# Altium PCB Project_2_Master_PCB.PcbDoc
Units mil, origin at the board's own origin, x right, y up, seen from the top; angles counter-clockwise.
Board outline 2875 x 2835 mil, 2 copper layers (Top Layer, Bottom Layer); 32 components, 95 nets, 142 pads, 15 vias.
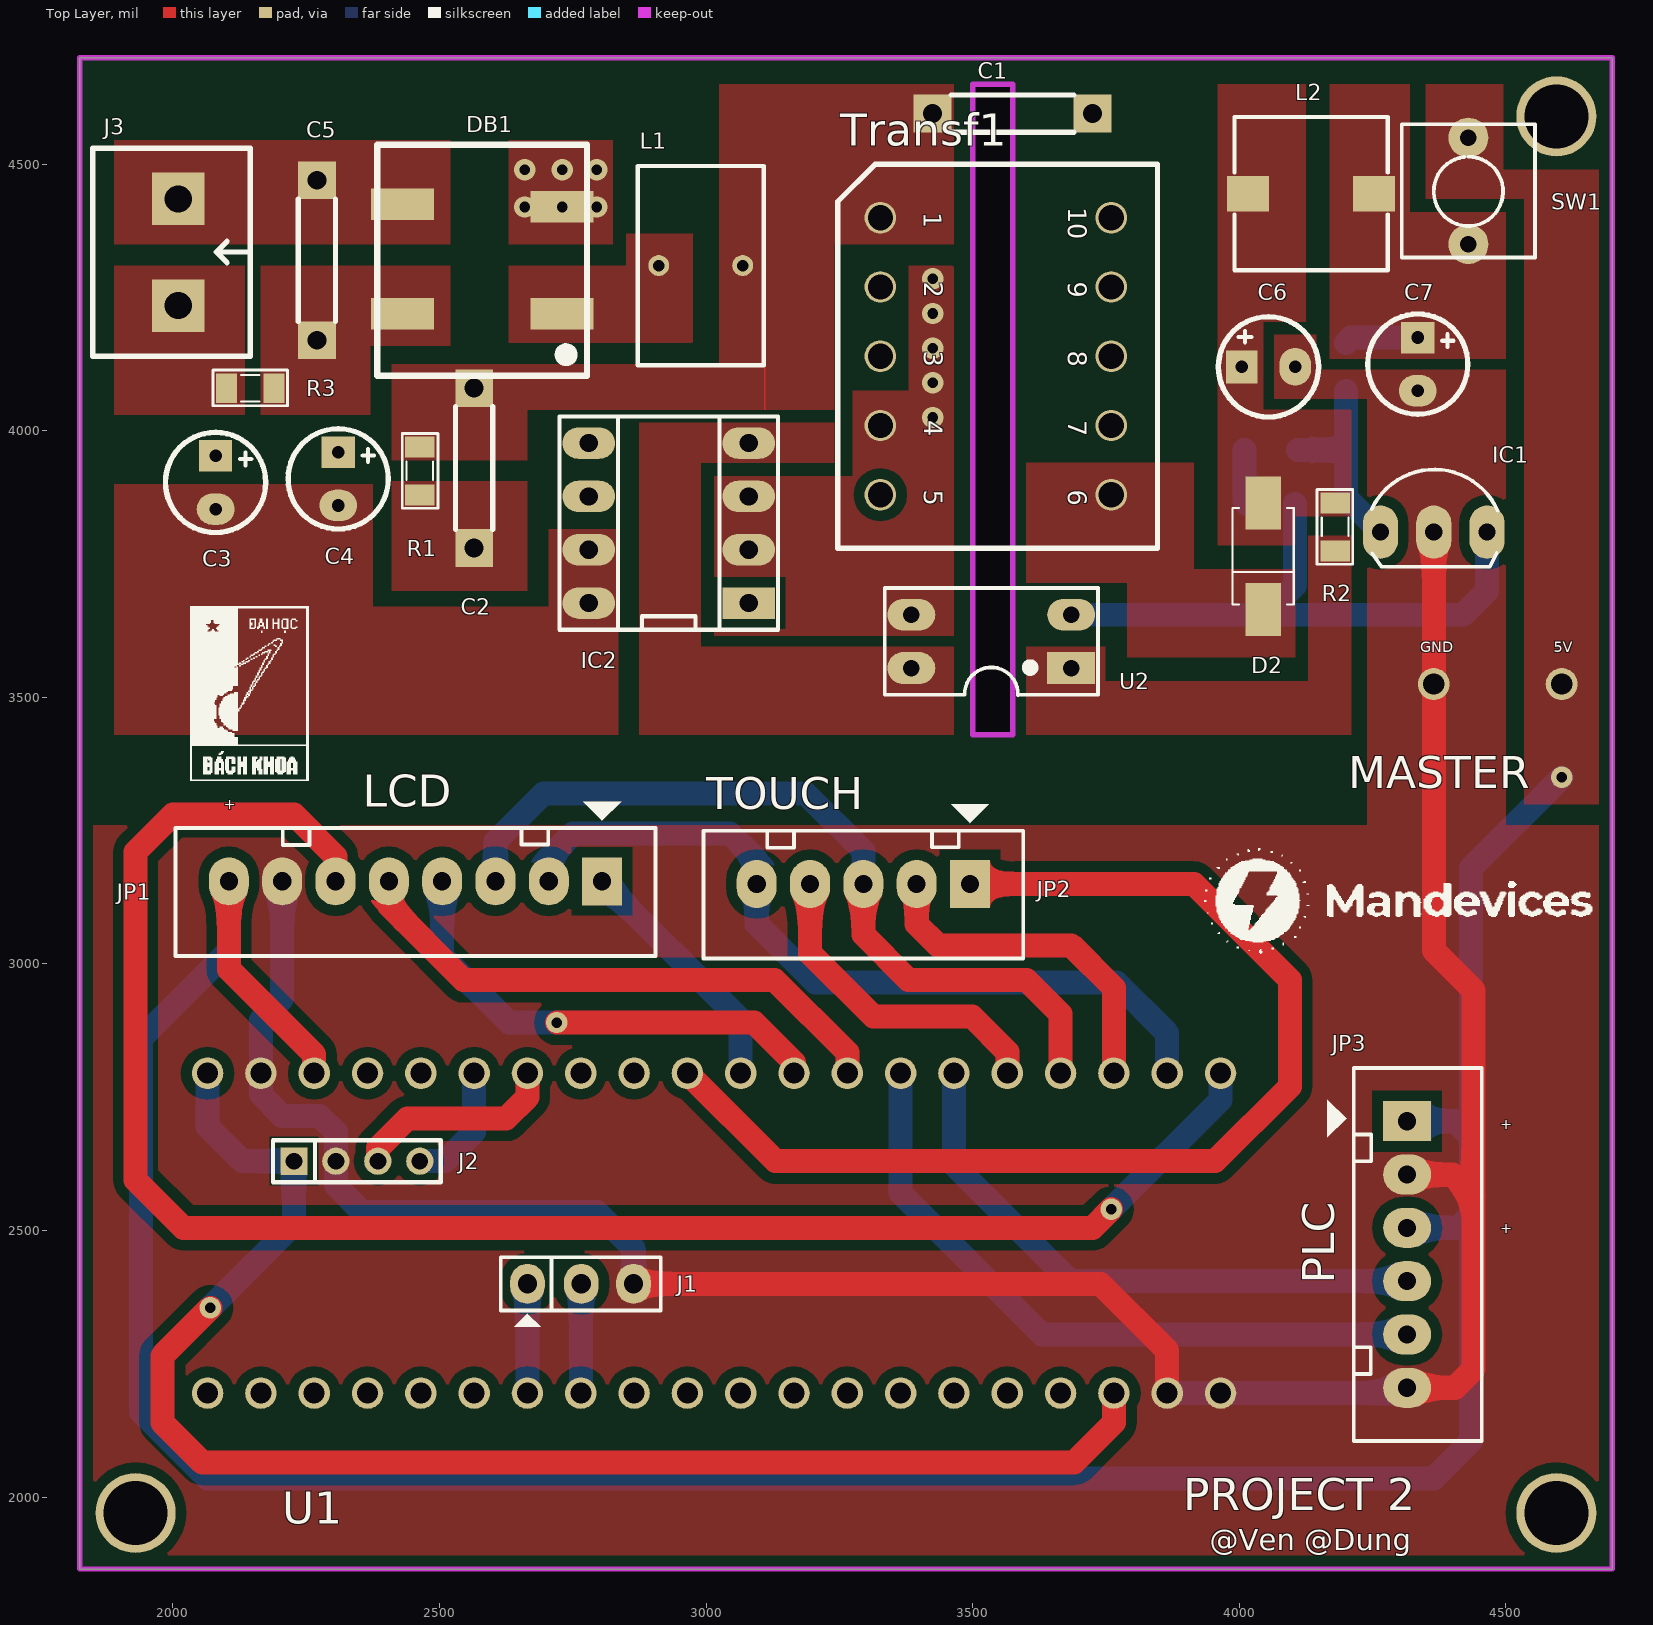
[diagram p0: Top Layer view]
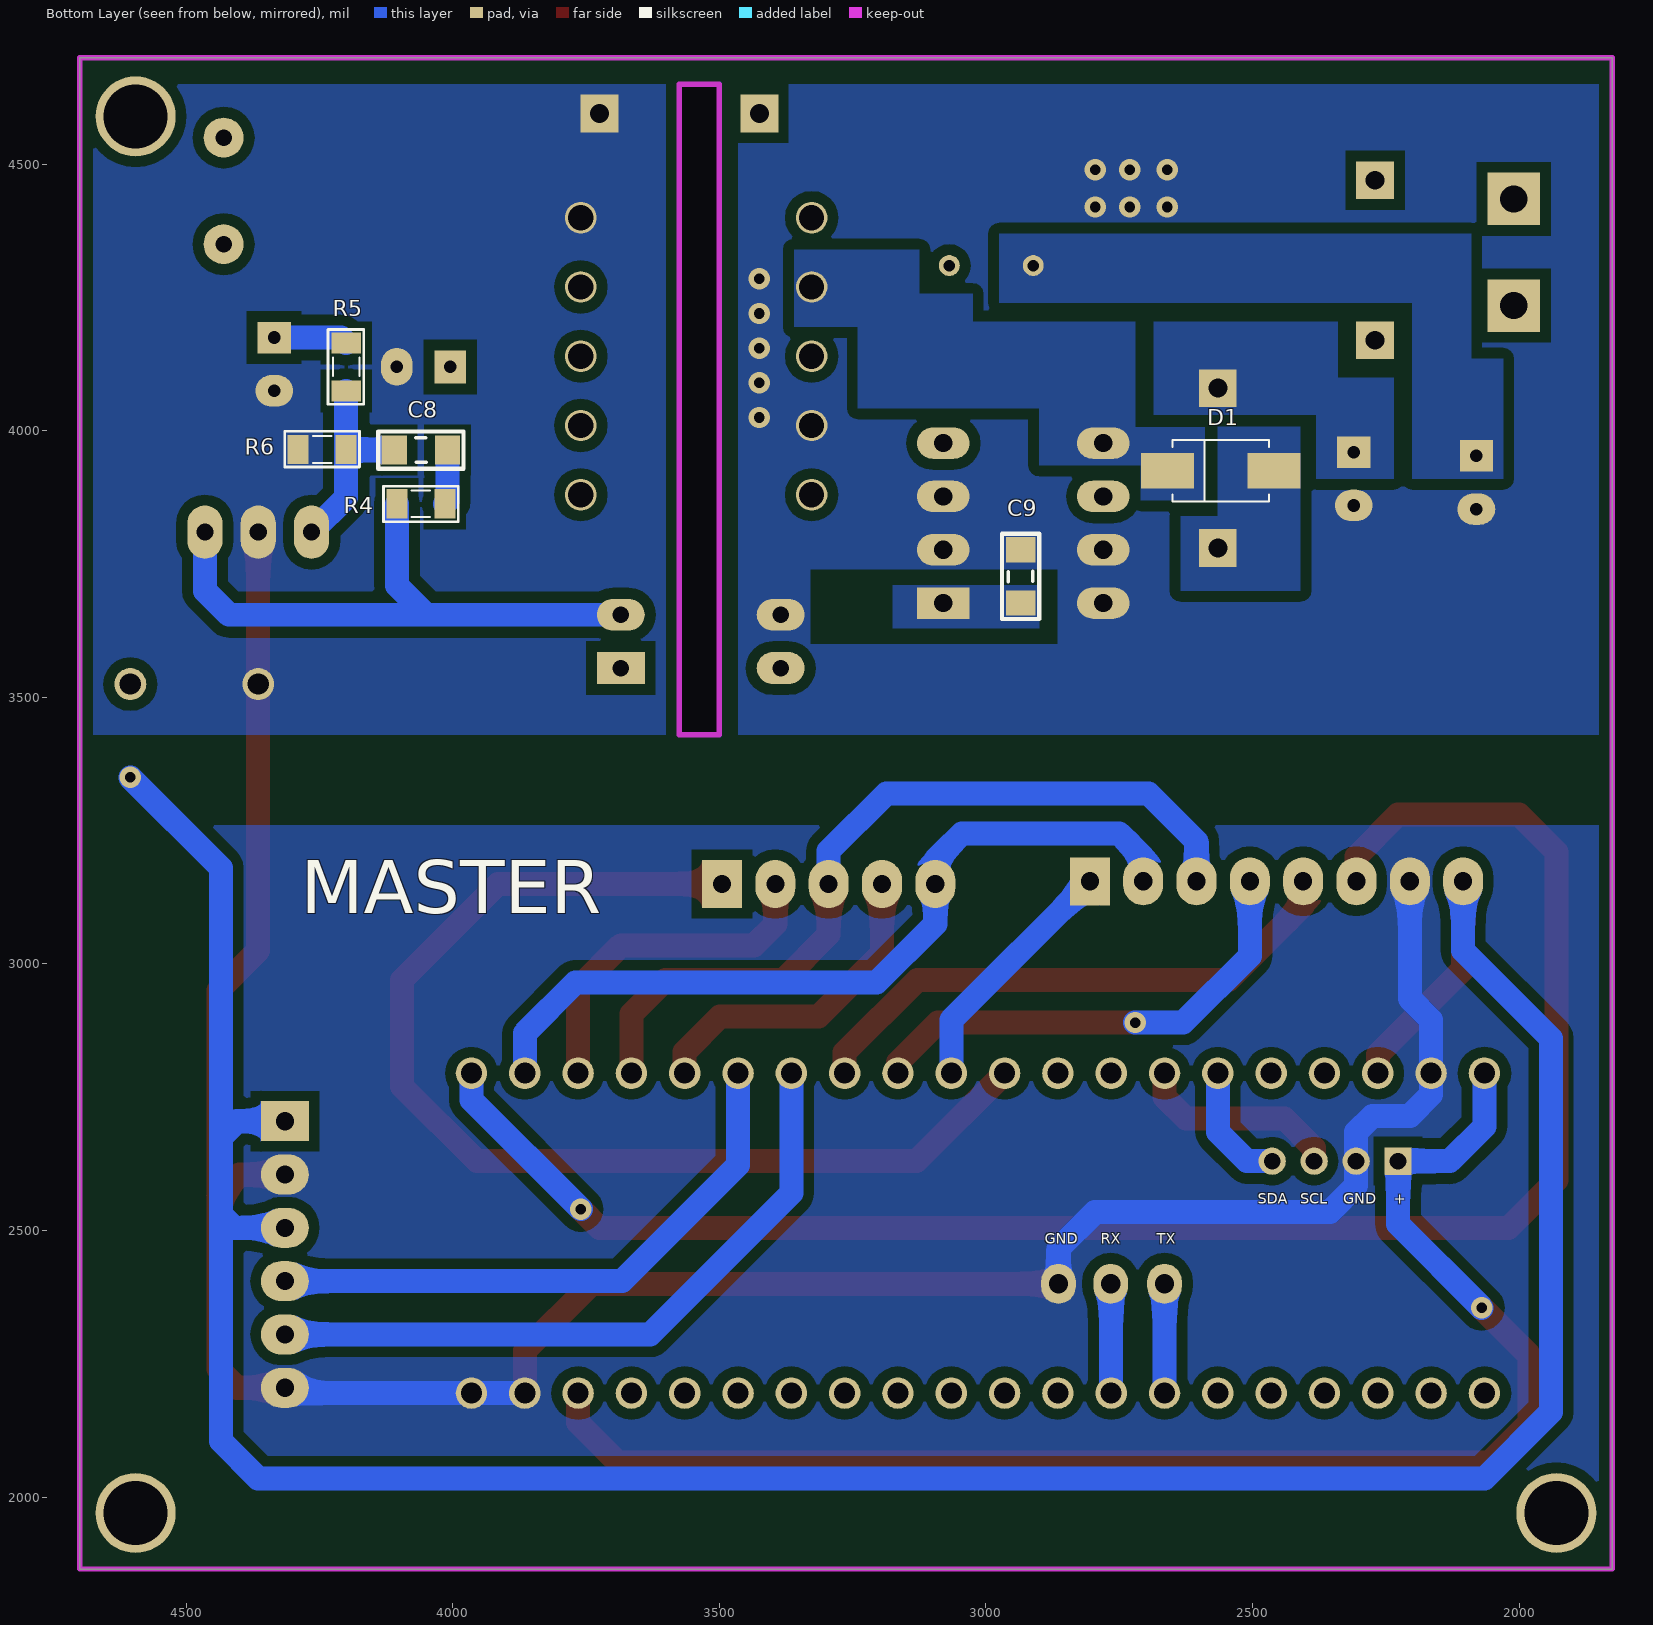
[diagram p1: Bottom Layer view, seen from below]
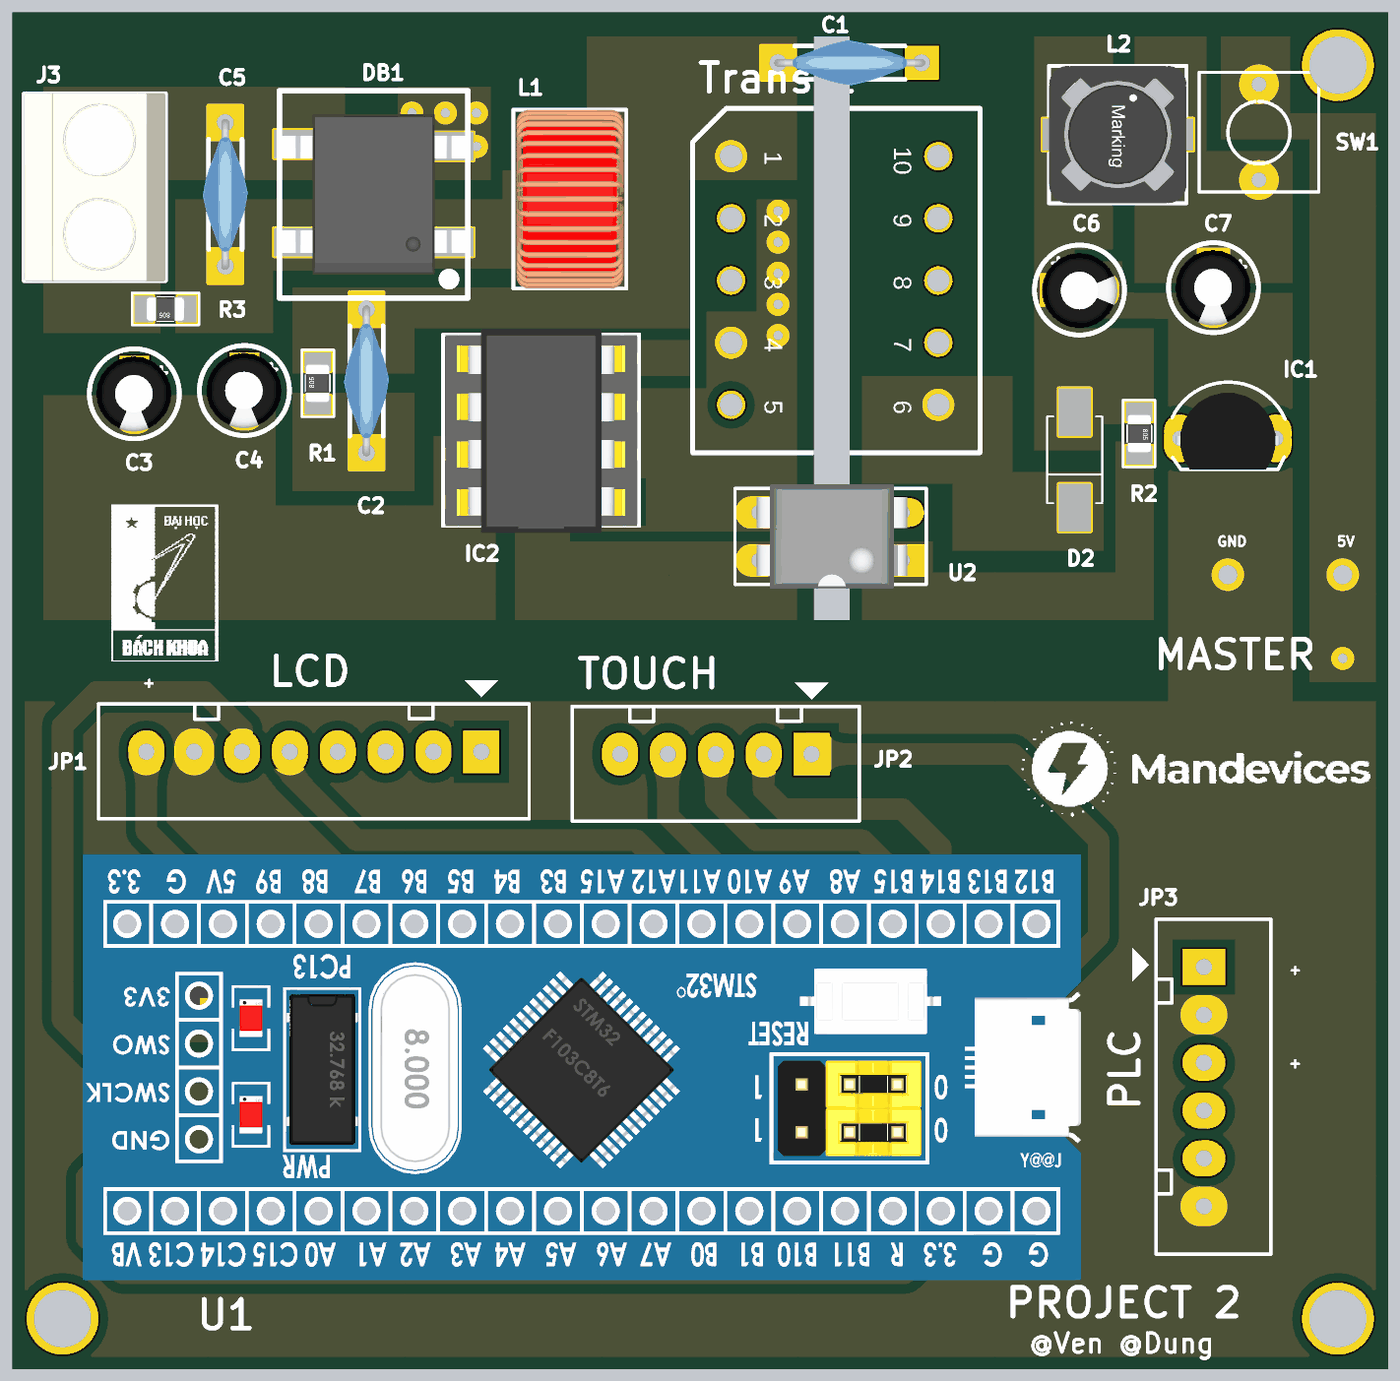
[diagram p2: 3D render of the assembled board from above, using the file's embedded part models]
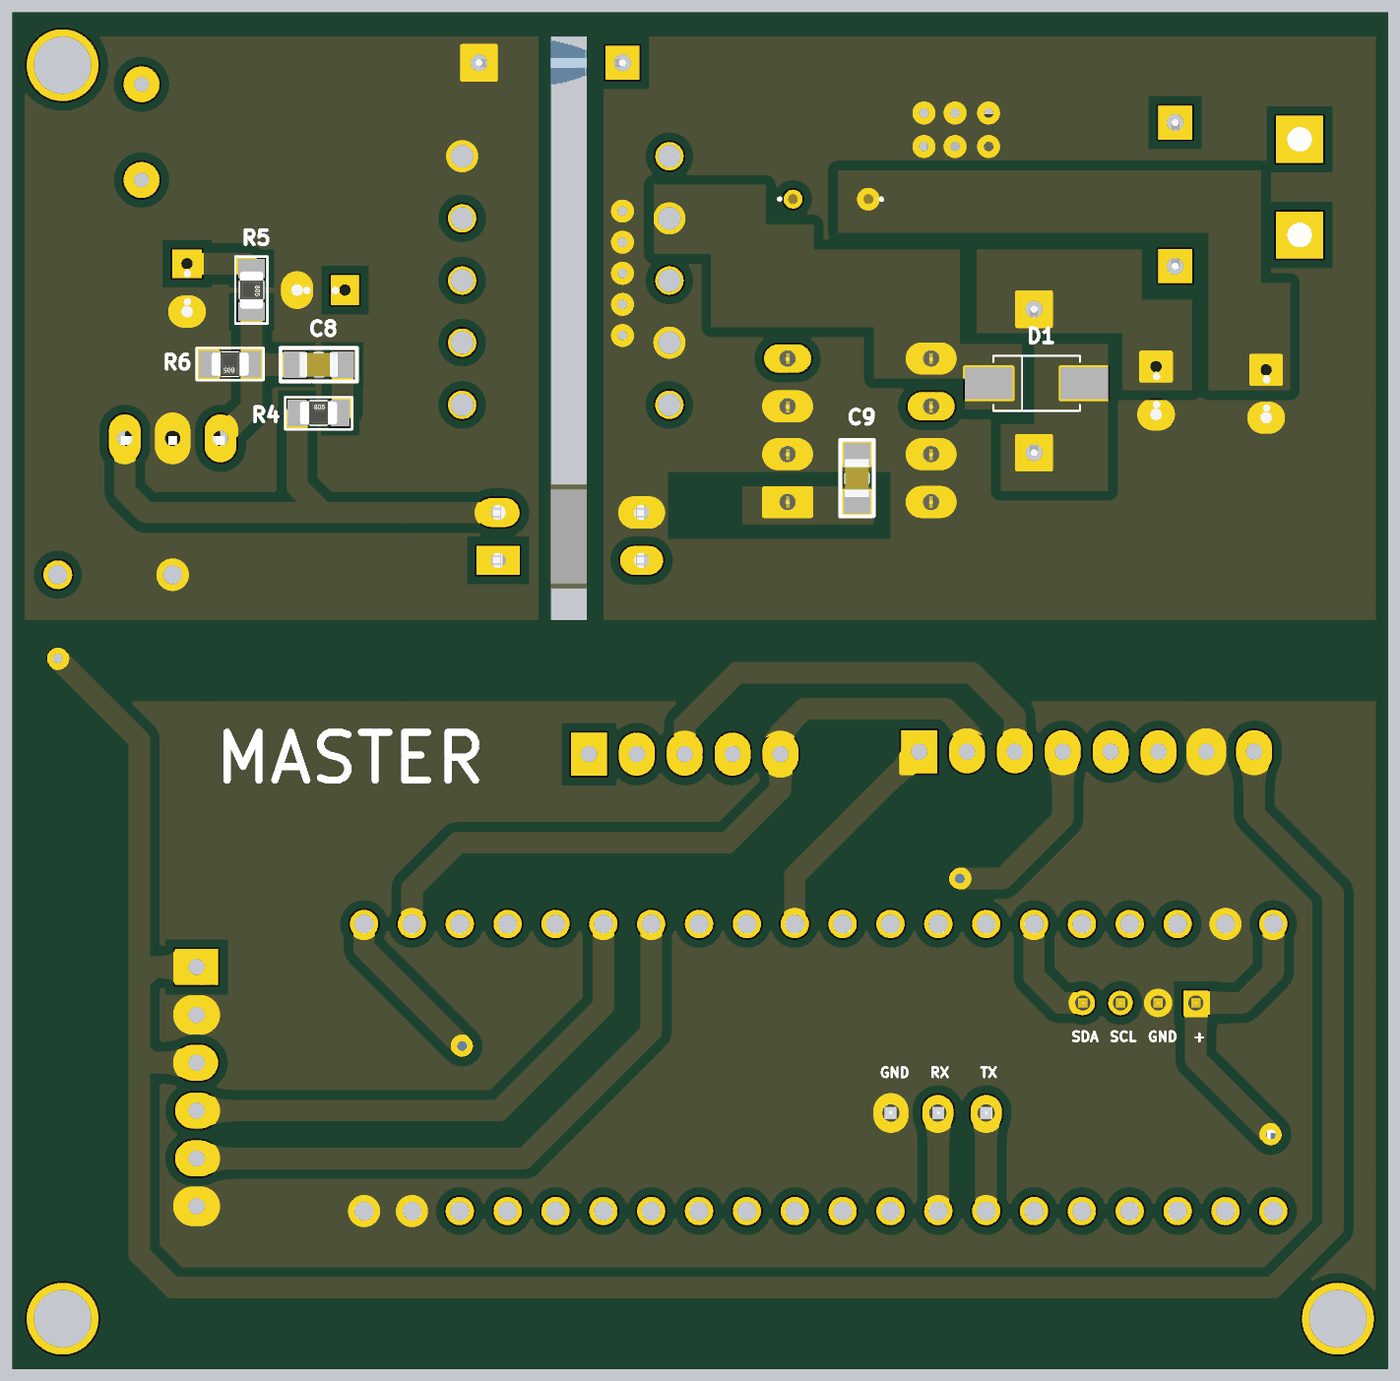
[diagram p3: 3D render of the assembled board from below, using the file's embedded part models]

## Layer stack, top to bottom
Top Solder: solder mask 0.4, Solder Resist, Dk 3.5
Top Layer: signal copper 1.4
Dielectric 1: dielectric 12.6, FR-4, Dk 4.8
Bottom Layer: signal copper 1.4
Bottom Solder: solder mask 0.4, Solder Resist, Dk 3.5

## Board outline
1825,1865 4700,1865 4700,4700 1825,4700
cut-out: 3500,3430 3575,3430 3575,4650 3500,4650

## Design rules (kind name [scope] priority, off if disabled: settings)
Clearance [All] p1: gap=20 ignorepadtopadclearanceinfootprint=TRUE except(0: Arc-Text Arc-Hole Track-Text Track-Hole SMDPad-Text SMDPad-Hole THPad-Text THPad-Hole Via-Text Via-Hole Fill-Text Fill-Hole Poly-Text Poly-Hole Region-Text Region-Hole Text-Text Text-Hole; 10: Arc-Arc Arc-Track Arc-SMDPad Arc-THPad Arc-Via Track-Track Track-SMDPad Track-THPad Track-Via SMDPad-SMDPad SMDPad-THPad SMDPad-Via THPad-THPad THPad-Via Via-Via)
PolygonConnect [All] p1: connectstyle=Direct reliefconductorwidth=10 reliefentries=4 polygonreliefangle="90 Angle" airgapwidth=10
RoutingVias [All] p1: holewidth=20 width=40 viastyle="Through Hole" minholewidth=15 minwidth=35 maxholewidth=25 maxwidth=45
SolderMaskExpansion [All] p1: expansion=4
Width [All] p1: maxlimit=45 minlimit=15 preferedwidth=25
30 further rules are at their usual default settings.

## Classes and differential pairs
component class 7: DB3 DB4 Q2 Q3
component class 4: JP3
component class 3: JP1 JP2
component class 2: C1 C2 C5 C6 C7 C8 C9 D1 D2 DB1 IC1 IC2 J3 L1 L2 R1 R2 R3 R4 R5 R6 SW1 Transf1 U2
component class 1: J1 J2 U1

## Components (designator, comment, footprint, x,y, rotation, side; value= is the part's Value field where it differs from the comment)
C1 "1nF/400v" 103/2KV 3725,4595 r180 top
C2 "1nF/400V" 103/2KV 2565,4080 r270 top
C3 "10uF/400V" C3MM 2080,3903.15 r270 top
C4 "10uF/400V" C3MM 2310,3910 r270 top
C5 "20D471K" 103/2KV 2270,4470 r270 top
C6 "470uF/16V" C3MM 4055,4120 r0 top
C7 "100uF/16V" C3MM 4335,4125 r270 top
C8 "100nF" CAP_0805 4060,3965 r180 bottom value=33p
C9 "100nF" CAP_0805 2934,3726.99 r270 bottom value=33p
D1 "SS14" SMAJ 2559.8,3925 r180 bottom value=1N5007
D2 "SS14" SMAJ 4045,3765 r90 top value=1N5007
DB1 "Diode Bridge" DB207S 2580,4320 r270 top
IC1 "TL431" qto-92 4365,3810 r0 top
IC2 "TNY264" DIP8 2930,3825 r180 top
J1 "JP3" JP3 2765,2400 r0 top value=J3
J2 "JP4" J4-D1T 2345,2630 r0 top
J3 "AC-IN" KF2-5.08 2010,4335 r270 top
JP1 "Con8" CON8 2805,3155 r180 top value="Connector 8"
JP2 "Con5" CON5 3495,3150 r180 top value="Connector 5"
JP3 "Con6" CON6 4315,2705 r270 top value="Connector 6"
L1 "100uF" L-DIP-M-9.5x6 2990,4310 r0 top value="150 mH"
L2 "2.2uF" L-SMD-M-7.3x4.5 4135,4445 r90 top value="150 mH"
R1 "100k" RES-SMD-0805 2463.11,3925 r90 top
R2 "200R" RES-SMD-0805 4180,3820 r270 top
R3 "10R" RES-SMD-0805 2145,4080 r180 top
R4 "3.3k" RES-SMD-0805 4060,3863.15 r180 bottom
R5 "10k" RES-SMD-0805 4200,4120 r270 bottom
R6 "10k" RES-SMD-0805 4245,3965 r0 bottom
SW1 "SW" SW2 4430,4350 r90 top value="SW chip 2 pin"
Transf1 "Transformer EE16" "Transformer SW" 3326.93,4399.76 r270 top
U1 "STM32 Bluepill" Blue_Pill_Board 1985,2950 r270 top
U2 "PC817" DIP4/W0.3 3685,3555 r90 top

## Footprints (in the part's own frame and the unit in brackets; to place one, negate y for a bottom-side part, rotate by r counter-clockwise, add the part's x,y. Pads: shape width x height; smd on the part's side, far side on the other; paste and mask are expansions set on the pad)
103/2KV [mm]
  rect 1.8x1.8 hole 0.9: 1(0,0) 2(7.62,0)
  silkscreen extent 0.89,-0.89 6.73,0.89, body extent -0.19,-1.2 7.81,1.19, height 9.03
Blue_Pill_Board [mm]
  round 1.5 hole 1: 1(3.937,50.292) 2(3.937,47.752) 3(3.937,45.212) 4(3.937,42.672) 5(3.937,40.132) 6(3.937,37.592) 7(3.937,35.052) 8(3.937,32.512) 9(3.937,29.972) 10(3.937,27.432) 11(3.937,24.892) 12(3.937,22.352) 13(3.937,19.812) 14(3.937,17.272) 15(3.937,14.732) 16(3.937,12.192) 17(3.937,9.652) 18(3.937,7.112) 19(3.937,4.572) 20(3.937,2.032) 21(19.177,50.292) 22(19.177,47.752) 23(19.177,45.212) 24(19.177,42.672) 25(19.177,40.132) 26(19.177,37.592) 27(19.177,35.052) 28(19.177,32.512) 29(19.177,29.972) 30(19.177,27.432) 31(19.177,24.892) 32(19.177,22.352) 33(19.177,19.812) 34(19.177,17.272) 35(19.177,14.732) 36(19.177,12.192) 37(19.177,9.652) 38(19.177,7.112) 39(19.177,4.572) 40(19.177,2.032)
  body extent 0.25,-0.34 22.85,52.66, height 33
C3MM [mm]
  rect 1.5x1.58 hole 0.6: 1(-1.27,0)
  oval 1.5x1.8 hole 0.6: 2(1.27,0)
  silkscreen extent -2.39,-2.39 2.39,2.39, body extent -2,-2.03 1.99,1.97, height 7.01
CAP_0805 [mm]
  rect 1.2x1.4 smd: 1(-1.27,-0.025) 2(1.27,-0.025)
  silkscreen extent -2.03,-0.91 2.03,0.86, body extent -1.01,-0.66 1.01,0.61, height 0.61
CON5 [mil] "CON5"
  rect 75x90 hole 34: 1(0,0)
  oval 75x90 hole 34: 2(100,0) 3(200,0) 4(300,0) 5(400,0)
  silkscreen extent -100,-150 500,140
CON6 [mil] "CON6"
  rect 75x90 hole 34: 1(0,0)
  oval 75x90 hole 34: 2(100,0) 3(200,0) 4(300,0) 5(400,0) 6(500,0)
  silkscreen extent -100,-150 600,140
CON8 [mil] "CON8"
  rect 75x90 hole 34: 1(0,0)
  oval 75x90 hole 34: 2(100,0) 3(200,0) 4(300,0) 5(400,0) 6(500,0) 7(600,0) 8(700,0)
  silkscreen extent -100,-150 800,140
DB207S [mm] "Diode Bridge 2A 1000V"
  rect 1.5x3 smd: 1(2.54,3.81) 2(2.54,-3.785) 3(-2.667,-3.785) 4(-2.54,3.81)
  silkscreen extent -5.5,-5 5.5,5, body extent -4.25,-5 4.25,5, height 2.93
DIP4/W0.3 [mil] "4 PIN, W 300mil, Pin to pin 100mil"
  rect 60x90 hole 31: 1(0,0)
  oval 60x90 hole 31: 2(100,0) 3(100,300) 4(0,300)
  silkscreen extent -50,-50 150,350, body extent -59,-10 159,305, height 170
DIP8 [mm]
  rect 2.5x1.5 hole 0.864: 1(-3.81,3.759)
  oval 2.5x1.5 hole 0.864: 2(-3.81,1.219) 3(-3.81,-1.321) 4(-3.81,-3.861) 5(3.81,-3.861) 6(3.81,-1.321) 7(3.81,1.219) 8(3.81,3.759)
  silkscreen extent -5.21,-5.13 5.21,5.03, body extent -5.08,-5.4 5.08,5.4, height 8.1
J4-D1T [mm] "4 pins, 1 row, straight, gold plating"
  rect 1.3x1.3 hole 0.8: 1(-3,0)
  round 1.3 hole 0.8: 2(-1,0) 3(1,0) 4(3,0)
  silkscreen extent -4,-1 4,1, body extent -4,-1 4,1, height 6.01
JP3 [mil] "Jumper 3"
  oval 65x75 hole 36: 1(-100,0) 2(1,0) 3(99,0)
  silkscreen extent -150,-81 150,50, body extent -150,-60 150,55, height 355
KF2-5.08 [mm]
  rect 2.5x2.5 hole 1.3: 1(-2.54,0) 2(2.54,0)
  silkscreen extent -4.95,-4.08 4.95,3.43, body extent -5,-4.07 5,3.43, height 10
L-DIP-M-9.5x6 [mm] "Body 9.5x6mm, 2 leads"
  round 1 hole 0.55: 1(-2,0) 2(2,0)
  silkscreen extent -3,-4.75 3,4.75, body extent -2.85,-4.75 2.85,4.75, height 9.75
L-SMD-M-7.3x4.5 [mm] "WE-PDA SMD Shielded Power Inductor, 7345"
  rect 1.7x2 smd: 1(0,3) 2(0,-3)
  silkscreen extent -3.65,-3.65 3.65,3.65, body extent -3.65,-3.65 3.65,3.65, height 4.05
qto-92 [mil] "TO-92"
  oval 66x100 hole 32: 1(-100,0) 2(0,0) 3(100,0)
  silkscreen extent -117,-65 120,118, body extent -109,-66 109,95, height 245
RES-SMD-0805 [mil]
  rect 39.37x55 smd: 1(-45,0) 2(45,0)
  silkscreen extent -70,-34 70,33, body extent -39,-25 39,25, height 31
SMAJ [mm] "SMAJ5.0A/CA,SMAJ24CA..."
  rect 2.52x1.7 smd: 1(-2.535,0) 2(2.535,0)
  silkscreen extent -2.3,-1.46 2.3,1.46, body extent -2.54,-1.46 2.54,1.46, height 2.62
SW2 [mil] "SW button 2pin, 250x 250 mil"
  round 75 hole 31: 1(0,0) 2(200,0)
  silkscreen extent -25,-125 225,125
"Transformer SW" [mm] "Transformer; 4 Leads"
  round 1.5 hole 1.2: 1(0,0) 2(3.3,0) 3(6.6,0) 4(9.9,0) 5(13.2,0) 6(13.2,11) 7(9.9,11) 8(6.6,11) 9(3.3,11) 10(0,11)
  silkscreen extent -2.54,-2.03 15.75,13.21

## Part data
C1 C2: library part Cap2KV, "CAP CERAMIC", LatestRevisionDate=17-Jul-2002, LatestRevisionNote="Re-released for DXP Platform.", PackageReference=RAD-0.3, Published=8-Jun-2000, Publisher="Altium Limited"
C3 C4 C6 C7: library part "Cap Pol", "Polarized Capacitor (Axial)", LatestRevisionDate=17-Jul-2002, LatestRevisionNote="Re-released for DXP Platform.", PackageReference=POLAR0.8, Published=8-Jun-2000, Publisher="Altium Limited"
C5: library part Cap2KV, "Varistor", LatestRevisionDate=17-Jul-2002, LatestRevisionNote="Re-released for DXP Platform.", PackageReference=RAD-0.3, Published=8-Jun-2000, Publisher="Altium Limited"
C8 C9: library part CapSMD, "Capacitor", LatestRevisionDate=17-Jul-2002, LatestRevisionNote="Re-released for DXP Platform.", PackageReference=RAD-0.3, Published=8-Jun-2000, Publisher="Altium Limited"
D1 D2: library part "Diode SMD", "Diode Schottky / 1N5819", Code - JEDEC=DO-214-AB, Published=8-Jun-2000, Publisher="Altium Limited", Revision="July-2002: Re-released for DXP Platform."
DB1: library part "Diode Bridge Flate"
IC1: "Programmable Shunt Regulator"
IC2: "Enhanced, Energy Efficient, Low Power Off-line Switcher"
J1: "UART2"
J2: library part JP4x1-2.0, "I2C", Manufacturer="Würth Elektronik eiSos GmbH", partNo=62000411821, ComponentLink1 Description=Manufacturer, ComponentLink1URL=http://www.we-online.com, ComponentLink2 Description=Datasheet, ComponentLink2URL=http://katalog.we-online.de/em/datasheet/6200xx11821.pdf, Created by="Karrer Zheng", Created Date="2 April 2013", NoPins=04
J3: library part KF2, Manufacturer="Würth Elektronik eiSos GmbH", partNo=691103110002, ComponentLink1 Description=Manufacturer, ComponentLink1URL=http://www.we-online.com, ComponentLink2 Description=Datasheet, ComponentLink2URL=http://katalog.we-online.de/em/datasheet/6911031100xx.pdf, Created by="Karrer Zheng", Created Date="29 October 2013", NoPins=2
JP1: "DISPLAY"
JP2: "TOUCH"
JP3: "PLC module"
L1 L2: library part L-DIP-1, "Inductor"
R1 R2 R3 R4 R5 R6: library part "Resistor - SMD", "Resistor", Manufacturer="Generic Components", Class=Passive, Published=08/06/2000, Publisher="Altium Hobart Technology Centre"
SW1: library part SW2, "Switch button 2 pin"
Transf1: library part "Tranformer EE16"
U1: "STM32 Bluepill Kit"
U2: "Single Opto"

## Free pads (board coordinates)
  round 150 hole 120: 5(4595,4590) 6(4595,1970) 7(1930,1970)
  round 60 hole 40: 8(4365,3525) 9(4605,3525)

## Via types
v1: diameter 40, hole 20, Top Layer to Bottom Layer, 15 vias

## Nets (pads, with @x,y where several pads share a name; then routed paths per layer and width w, separated by ;. In a path a pad name is that pad's centre, name@x,y a point inside that pad or via, vN(x,y) a via of type N, cw(c..) or ccw(c..) an arc to the next point about the centre after c; other vN are vias at no path point)
3.3V: J2.1 U1.20 U1.23 | length 2783.2
  Top Layer w45: v1(2070,2355) 1980,2265 1980,2140 2055,2065 3690,2065 3765,2140 U1.23
  Bottom Layer w45: U1.20 2065,2695 2130,2630 J2.1 2226.89,2511.89 v1(2070,2355)
5V: JP1.8 JP3.1 JP3.3 pad.9 SW1.2 U1.18 | length 5643.6
  Top Layer w45: JP1.8 2105,2990 2265,2830 U1.18
  Bottom Layer w45: JP1.8 2105,3025 1940,2860 1940,2160 2065,2035 4365,2035 4435,2105 4435,2530 ; JP3.3 4410,2505 4435,2530 ; JP3.1 4405,2705 4435,2675 ; v1(4605,3350) 4435,3180 4435,2675 ; 4435,2530 4435,2675
AC1: 
AC2: 
CS: JP1.6 U1.1 | length 3319.9
  Top Layer w45: JP1.6 2305,3201.89 2226.89,3280 2000,3280 1930,3210 1930,2595 2020,2505 3725,2505 v1(3760,2540)
  Bottom Layer w45: v1(3760,2540) 3965,2745 U1.1
DC: JP1.4 U1.9 | length 902.8
  Top Layer w45: v1(2720,2890) 3090,2890 3165,2815 U1.9
  Bottom Layer w45: JP1.4 2505,3015 2630,2890 v1(2720,2890)
GND: C1.1 C6.2 C7.2 IC1.2 J1.3 J2.2 JP1.7 JP3.2 JP3.6 pad.8 R6.2 Transf1.10 U1.19 U1.21 U1.22 | length 4828.9
  Top Layer w45: J1.3 3740,2400 3865,2275 U1.22 ; JP3.6 4405,2205 4440,2240 4440,2565 ; JP3.2 4400,2605 4440,2565 ; IC1.2 4365,3025 4440,2950 4440,2565
  Bottom Layer w45: JP1.7 2205,2935 2165,2895 U1.19 2165,2755 2205,2715 2275,2715 2305.63,2684.37 J2.2 2305.63,2584.37 2355,2535 2795,2535 2864,2466 J1.3 ; U1.22 U1.21 4305,2195 JP3.6
GND1: 
GND2: 
GND_IN: C3.2 C4.2 C9.1 DB1.4 IC2.2 IC2.3 IC2.7 IC2.8 Transf1.4 U2.3
  other v1: 3425,4025 3425,4090 3425,4155 3425,4220 3425,4285 2660,4420 2730,4420 2795,4420 2660,4490 2730,4490 2795,4490
I1_IN: 
I1_OUT: 
I2_IN: 
I2_OUT: 
LED: JP1.1 U1.10 | length 467.7
  Bottom Layer w45: JP1.1 3065,2895 U1.10
MOSI: JP1.3 JP2.3 U1.4 | length 1546.8
  Top Layer w45: JP2.3 3295,3055 3380,2970 3601.33,2970 3665,2906.33 U1.4
  Bottom Layer w45: JP1.3 2605,3230 2695,3320 3186.72,3320 3295,3211.72 JP2.3
NetC1_2: C1.2 C2.1 C4.1 L1.2 R1.2 Transf1.1
NetC2_2: C2.2 D1.2 R1.1
NetC3_1: C3.1 DB1.1 L1.1
NetC5_1: C5.1 DB1.3 J3.1
NetC5_2: C5.2 DB1.2 R3.1
NetC6_1: C6.1 D2.2 L2.1 R2.1
NetC7_1: C7.1 L2.2 R5.1 SW1.1 | length 139.1
  Bottom Layer w45: R5.1 4210,4175 C7.1
NetC8_1: C8.1 IC1.1 R5.2 R6.1 | length 382.3
  Bottom Layer w45: C8.1 4199,3964 R6.1 ; R5.2 4200,3875 IC1.1
NetC8_2: C8.2 R4.2 | length 102.9
  Bottom Layer w45: C8.2 4010,3868.15 R4.2
NetC9_2: C9.2 IC2.1
NetC13_2: 
NetC17_2: 
NetC18_2: 
NetC19_1: 
NetC22_1: 
NetC23_1: 
NetC24_1: 
NetC24_2: 
NetC25_2: 
NetC27_1: 
NetC28_2: 
NetC30_2: 
NetC31_1: 
NetD1_1: D1.1 IC2.5 Transf1.2
NetD2_1: D2.1 Transf1.6
NetD3_1: 
NetD4_1: 
NetD5_1: 
NetD5_2: 
NetD6_1: 
NetD7_1: 
NetD7_2: 
NetD8_1: 
NetD9_1: 
NetD9_2: 
NetD10_1: 
NetD10_2: 
NetDB3_2: 
NetDB4_2: 
NetIC1_3: IC1.3 R4.1 U2.2 | length 1139.6
  Bottom Layer w45: U2.2 4050,3655 ; R4.1 4105,3710 4050,3655 ; IC1.3 4465,3700 4420,3655 4050,3655
NetIC2_4: IC2.4 U2.4
NetIC3_1: 
NetIC3_13: 
NetIC3_14: 
NetIC3_15: 
NetIC3_16: 
NetIC3_19: 
NetIC3_20: 
NetIC4_3: 
NetIC5_4: 
NetJ3_2: J3.2 R3.2
NetJ4_1: 
NetJP3_4: JP3.4 U1.6 | length 1112.5
  Bottom Layer w45: U1.6 3465,2622.62 3682.62,2405 JP3.4
NetJP3_5: JP3.5 U1.7 | length 1284.8
  Bottom Layer w45: U1.7 3365,2570 3630,2305 JP3.5
NetLED1_1: 
NetLED2_1: 
NetQ1_1: 
NetQ4_1: 
NetR2_2: R2.2 U2.1
NetR11_2: 
NetR18_1: 
NetR23_1: 
OSC1: 
OSC2: 
RS: JP1.5 U1.8 | length 1058.1
  Top Layer w45: JP1.5 2405,3110 2545,2970 3128.7,2970 3265,2833.7 U1.8
RST: 
RX2: J1.2 U1.33 | length 205.4
  Bottom Layer w45: U1.33 2765,2399 J1.2
SCK: JP1.2 JP2.5 U1.2 | length 1524.3
  Bottom Layer w45: JP1.2 2705,3200 2750,3245 3045,3245 3095,3195 JP2.5 3095,3075 3205,2965 3770,2965 3865,2870 U1.2
SCL: J2.3 U1.14 | length 389.6
  Top Layer w45: J2.3 2384.37,2654.37 2440,2710 2625,2710 2665,2750 U1.14
SDA: J2.4 U1.15 | length 234.7
  Bottom Layer w45: J2.4 2510,2630 2565,2685 U1.15
STM8_RX: 
STM8_SCL: 
STM8_SDA: 
STM8_SWIM: 
STM8_TX: 
T_CS: JP2.4 U1.5 | length 616.6
  Top Layer w45: JP2.4 3195,3020 3313.91,2901.09 3498.91,2901.09 3565,2835 U1.5
T_DO: JP2.2 U1.3 | length 654.7
  Top Layer w45: JP2.2 3395,3075 3435,3035 3685,3035 3765,2955 U1.3
T_IQR: JP2.1 U1.11 | length 2130.9
  Top Layer w45: U1.11 3130,2630 3955,2630 4095,2770 4095,2970 3915,3150 JP2.1
TX2: J1.1 U1.34 | length 205
  Bottom Layer w45: U1.34 J1.1
pads on no net: IC2.6 Transf1.3 Transf1.5 Transf1.7 Transf1.8 Transf1.9 U1.12 U1.13 U1.16 U1.17 U1.24 U1.25 U1.26 U1.27 U1.28 U1.29 U1.30 U1.31 U1.32 U1.35 U1.36 U1.37 U1.38 U1.39 U1.40

## Polygon pours and split planes (outlines as drawn)
GND on Top Layer "GND_L01_P064" (solid, remove dead copper, pour order 64): 1825,3260 4700,3260 4700,1865 1825,1865
GND_IN on Top Layer "GND_IN_L01_P074" (solid, remove dead copper, pour order 74): 3465,3610 3015,3610 3015,3915 3275,3915 3275,4015 3275,4075 3379.99,4075 3379.99,4309.99 3465,4310
NetD2_1 on Top Layer "NETD2_1_L01_P072" (solid, remove dead copper, pour order 72): 3915,3940 3600.91,3940 3600,3939.09 3600,3715 3915,3715
NetR2_2 on Top Layer "NETR2_2_L01_P070" (solid, remove dead copper, pour order 70): 3600.49,3530 3600.49,3595 3750,3595 3748.91,3593.91 3748.91,3515 3601.33,3515
GND on Top Layer "GND_L01_P066" (solid, remove dead copper, pour order 66): 4240,3245 4240,3370 4500,3370 4500,3245
NetR2_2 on Top Layer "NETR2_2_L01_P062" (solid, remove dead copper, pour order 62): 4210,3803.49 4130,3803.49 4130,3530 3600.49,3530 3600.49,3430 4210,3430
5V on Top Layer "5V_L01_P052" (solid, remove dead copper, pour order 52): 4350,4650 4495,4650 4495,4490 4675,4490 4675,3300 4535,3300 4535,4435 4350,4435
GND on Top Layer "GND_L01_P050" (solid, remove dead copper, pour order 50): 4065,4180 4145,4180 4145,4115 4500,4115 4500,3300 4240,3300 4240,4060 4065,4060
NetC7_1 on Top Layer "NETC7_1_L01_P048" (solid, remove dead copper, pour order 48): 4170,4650 4320,4650 4320,4410 4500,4410 4500,4135 4170,4135
NetC6_1 on Top Layer "NETC6_1_L01_P046" (solid, remove dead copper, pour order 46): 4105,3785 4105,3840 4210,3840 4210,4040 4045,4040 4045,4205 4125,4205 4125,4650 3960,4650 3960,3785
NetD2_1 on Top Layer "NETD2_1_L01_P044" (solid, remove dead copper, pour order 44): 3790,3575 3790,3740 4105,3740 4105,3575
GND_IN on Top Layer "GND_IN_L01_P040" (solid, remove dead copper, pour order 40): 1890,3430 2835,3430 2835,3815 2705,3815 2705,3670 2375,3670 2375,3900 1890,3900
NetIC2_4 on Top Layer "NETIC2_4_L01_P036" (solid, remove dead copper, pour order 36): 3240,4015 3240,3940 2990,3940 2990,3595 3465,3595 3465,3430 2875,3430 2875,4015
NetC2_2 on Top Layer "NETC2_2_L01_P030" (solid, remove dead copper, pour order 30): 2410,3905 2665,3905 2665,3700 2410,3700
NetC1_2 on Top Layer "NETC1_2_L01_P028" (solid, remove dead copper, pour order 28): 3025,4195 3025,4125 2410,4125 2410,3945 2665,3945 2665,4040 3240,4040 3240,4195
NetC1_2 on Top Layer "NETC1_2_L01_P024" (solid, remove dead copper, pour order 24): 3110,4040 3110,4195
NetC1_2 on Top Layer "NETC1_2_L01_P010" (solid, remove dead copper, pour order 10): 3025,4166.53 3025,4650 3465,4650 3465,4350 3240,4350 3240,4166.53
GND_IN on Top Layer "GND_IN_L01_P008" (solid, remove dead copper, pour order 8): 2630,4350 2825,4350 2825,4545 2635,4545 2630,4545
NetC3_1 on Top Layer "NETC3_1_L01_P006" (solid, remove dead copper, pour order 6): 2630,4310 2850,4310 2850,4370 2975,4370 2975,4160 2970,4165 2630,4165
NetC5_2 on Top Layer "NETC5_2_L01_P004" (solid, remove dead copper, pour order 4): 2165,4030 2165,4310 2520,4310 2520,4160 2370,4160 2370,4030
NetJ3_2 on Top Layer "Top Layer-NetJ3_2" (solid, remove dead copper, pour order 2): 1890,4310 2135,4310 2135,4030 1890,4030
NetC5_1 on Top Layer "Top Layer-NetC5_1" (solid, remove dead copper, pour order 0): 1890,4350 2520,4350 2520,4545 1890,4545
GND_IN on Bottom Layer "GND_IN_L02_P032" (solid, remove dead copper, pour order 32): 3465,4650 3465,3740 2865,3740 2865,3430 1850,3430 1850,4650 2630,4650
GND on Bottom Layer "GND_L02_P054" (solid, remove dead copper, pour order 54): 3600,3430 3600,4650 4675,4650 4675,3430
GND on Bottom Layer "GND_L02_P078" (solid, remove dead copper, pour order 78): 4700,1890 1825,1890 1825,3260 4700,3260
GND on Bottom Layer "GND_L02_P076" (solid, remove dead copper, pour order 76): 4674.51,3260
GND_IN on Bottom Layer "GND_IN_L02_P038" (solid, remove dead copper, pour order 38): 3465,3775 3465,3430 2830,3430 2830,3600 3330,3600 3330,3775
NetC9_2 on Bottom Layer "NETC9_2_L02_P034" (solid, remove dead copper, pour order 34): 2900,3630 2900,3710 3174.42,3710 3174.42,3630
NetD1_1 on Bottom Layer "NETD1_1_L02_P020" (solid, remove dead copper, pour order 20): 3125,4340 3360,4340 3360,4195 3240,4195 3240,4042.2 2900,4042.2 2900,3935 2720,3935 2720,4205 3025,4205 3025,4256.85 3125,4256.85
NetC2_2 on Bottom Layer "NETC2_2_L02_P018" (solid, remove dead copper, pour order 18): 2410,4007.5 2565,4007.5 2565,3840 2635,3840 2635,3700 2410,3700
NetD1_1 on Bottom Layer "NETD1_1_L02_P016" (solid, remove dead copper, pour order 16): 2710,3935 2710,3870 2590,3870 2590,4006.79 2855,4006.79 2855,3935
NetC1_2 on Bottom Layer "NETC1_2_L02_P014" (solid, remove dead copper, pour order 14): 2235,3910 2235,4100 2340,4100 2340,4205 2685,4205 2685,4030 2380,4030 2380,3910
NetC3_1 on Bottom Layer "NETC3_1_L02_P012" (solid, remove dead copper, pour order 12): 2030,3910 2200,3910 2200,4240 2975,4240 2975,4370 2090,4370 2090,4135 2030,4135

## Keep-outs
Keep-Out Layer:
  lines w10: 1825,1865 4700,1865 4700,4425 4700,4700 2765,4700 1825,4700 1825,4675 1825,1865 ; 3500,3430 3500,4650 3575,4650 3575,3430 3500,3430

## Silkscreen, mask and mechanical layers (free items; w line width, h text height)
Top Overlay:
  drawing of 1346 lines, arcs and shapes, not listed
  text "GND" at 4340,3585 h20
  text "5V" at 4590,3585 h20
  text "MASTER" at 4204.63,3330 h60
  text "LCD" at 2356,3295 h60
  text "+" at 2095,3290 h20
  text "TOUCH" at 3000,3290 h60
  text "+" at 4490,2690 h20
  text "+" at 4490,2495 h20
  text "PLC" at 4178.01,2400 h60 r90
  text "PROJECT 2" at 3895,1975 h60
  text "@Ven @Dung" at 3945,1900 h40
Bottom Overlay:
  text "MASTER" at 4285,3095 h100
  text "+" at 2235,2550 h20
  text "GND" at 2330,2550 h20
  text "SCL" at 2410,2550 h20
  text "SDA" at 2490,2550 h20
  text "TX" at 2680,2475 h20
  text "RX" at 2785,2475 h20
  text "GND" at 2890,2475 h20

## Text inside footprints (layer, text, board x,y; h text height)
Transf1: Top Overlay "1" at 3396.93,4409.76 h59.06 r270; Top Overlay "2" at 3396.93,4279.76 h60 r270; Top Overlay "3" at 3396.93,4149.76 h60 r270; Top Overlay "4" at 3396.93,4019.76 h60 r270; Top Overlay "5" at 3396.93,3889.76 h60 r270; Top Overlay "6" at 3666.93,3889.76 h60 r270; Top Overlay "7" at 3666.93,4019.76 h60 r270; Top Overlay "8" at 3666.93,4149.76 h60 r270; Top Overlay "9" at 3666.93,4279.76 h60 r270; Top Overlay "10" at 3666.93,4419.76 h60 r270